# Altium PCB MU_MP_39_V1_ASMB.PcbDoc (part 6 of 15) (continued)
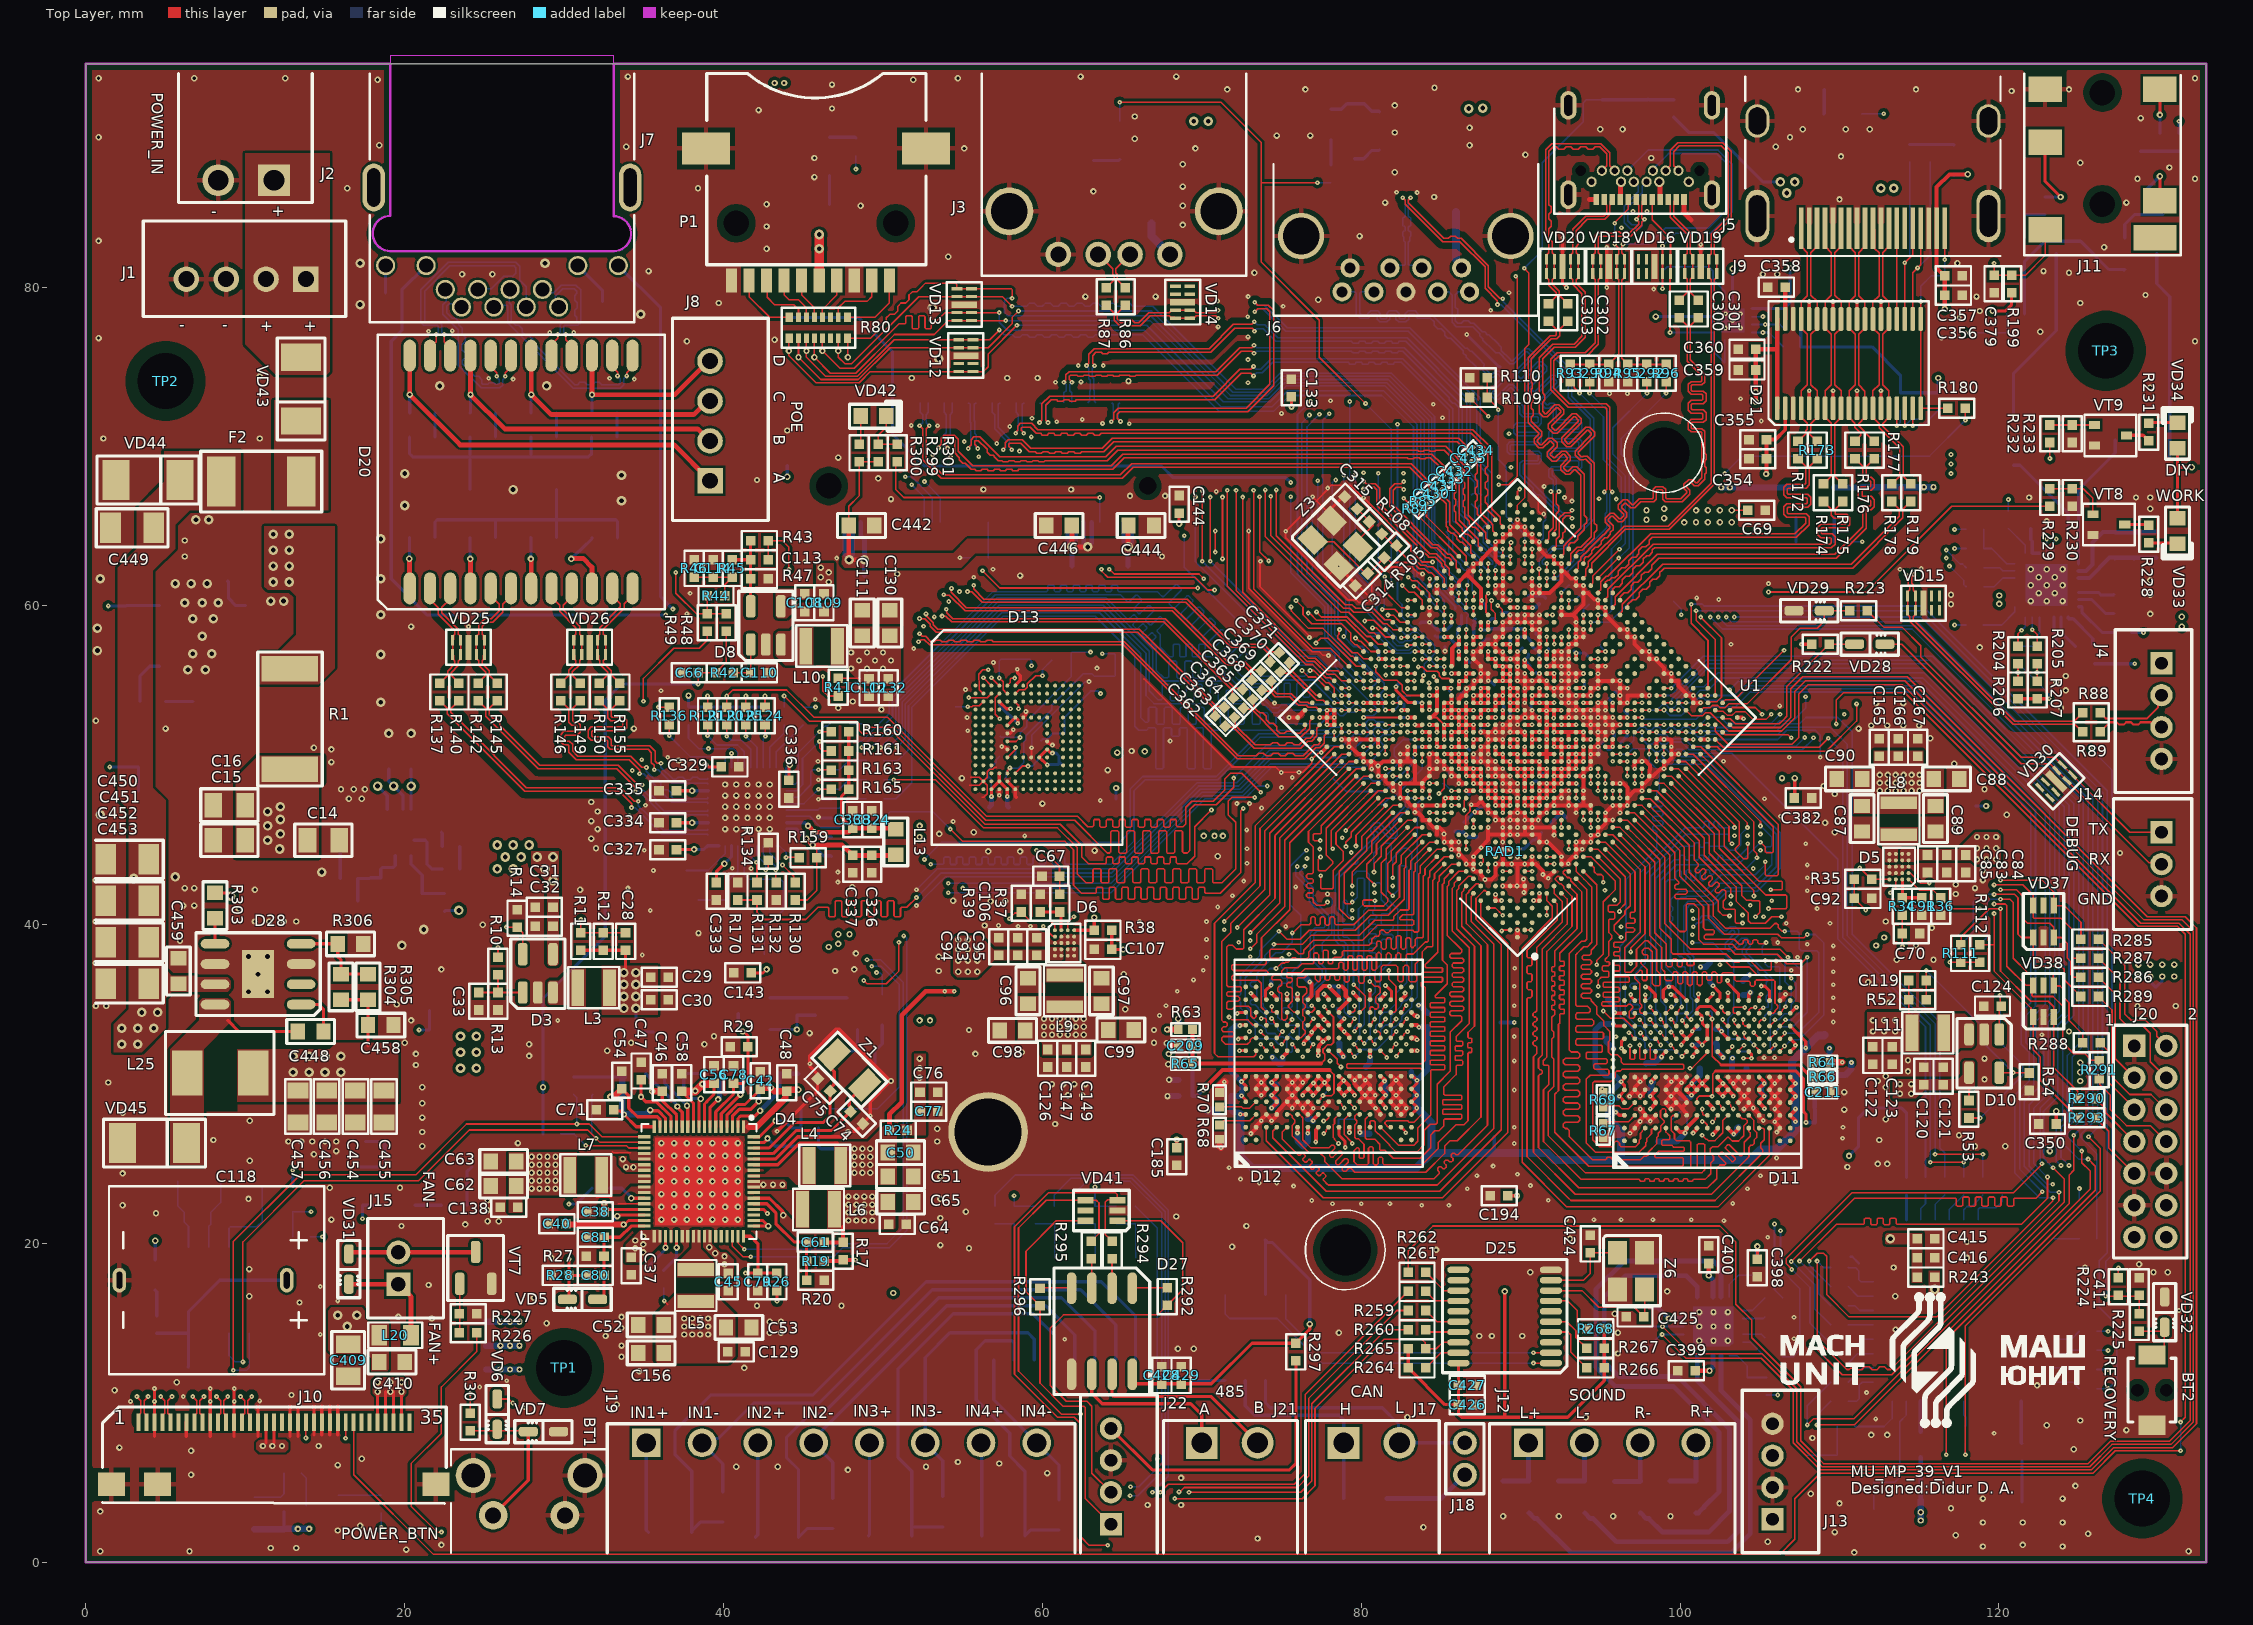
[diagram p0: Top Layer view]
## Nets (pads, with @x,y where several pads share a name; then routed paths per layer and width w, separated by ;. In a path a pad name is that pad's centre, name@x,y a point inside that pad or via, vN(x,y) a via of type N, cw(c..) or ccw(c..) an arc to the next point about the centre after c; other vN are vias at no path point) (continued)
DDR1_DQS2_P: D12.P10 U1.D21 | length 26.7
  Top Layer w0.08: D12.P10@81.205,33.701 81.375,33.872 81.375,33.924 81.52,34.068 v1(81.52,34.081) ; v1(81.525,49.8) 81.542,49.783 U1.D21@81.986,49.783
  Inner_Layer w0.09: v1(81.52,34.081) 81.52,34.115 81.335,34.3 81.097,34.3 80.893,34.504 80.893,36.571 80.659,36.805 77.059,36.805 76.186,37.678 76.186,39.778 74.78,41.184 74.78,45.266 78.434,48.92 79.047,48.92 79.758,48.92 79.973,48.704 79.973,48.557 80.06,48.47 80.176,48.47 80.263,48.557 80.263,48.704 80.479,48.92 80.725,48.92 81.208,48.92 81.405,49.117 81.405,49.443 81.485,49.523 81.485,49.76 v1(81.525,49.8)
DDR1_DQS3_N: D12.D11 U1.D23 | length 23.7
  Top Layer w0.08: v1(74.393,34.869) 74.393,34.548 74.44,34.501 D12.D11@74.705,34.501 ; v1(80.61,50.704) U1.D23@81.065,50.704
  Inner_Layer w0.09: v1(74.393,34.869) 74.353,34.829 74.353,34.653 74.3,34.6 74.047,34.6 73.825,34.822 73.825,34.95 73.825,34.995 73.89,35.06 73.89,35.36 73.825,35.424 73.825,35.65 73.825,45.325 73.825,45.37 73.945,45.49 73.945,45.79 73.825,45.91 73.825,46 73.825,46.189 75.168,47.532 75.606,47.97 75.729,47.97 75.881,47.818 76.186,47.818 76.397,48.029 76.397,48.334 76.226,48.505 76.226,48.628 76.308,48.71 76.431,48.71 76.602,48.539 76.907,48.539 77.118,48.75 77.118,49.056 76.967,49.207 76.967,49.33 77.668,50.032 77.811,50.175 79.474,50.175 80.142,50.843 80.279,50.843 80.306,50.87 80.443,50.87 v1(80.61,50.704)
DDR1_DQS3_P: D12.D10 U1.D24 | length 23.7
  Top Layer w0.08: v1(74.38,34.121) 74.38,34.109 74.525,33.964 74.525,33.881 D12.D10@74.705,33.701 ; v1(80.15,51.163) 80.152,51.161 U1.D24@80.608,51.162
  Inner_Layer w0.09: v1(74.38,34.121) 74.363,34.138 74.363,34.327 74.31,34.38 73.956,34.38 73.605,34.731 73.605,46.28 75.013,47.688 75.515,48.19 75.82,48.19 75.972,48.038 76.095,48.038 76.177,48.12 76.177,48.243 76.006,48.414 76.006,48.72 76.217,48.93 76.522,48.93 76.693,48.759 76.816,48.759 76.898,48.841 76.898,48.965 76.747,49.116 76.747,49.422 77.513,50.188 77.72,50.395 79.383,50.395 v1(80.15,51.163)
DDR1_ODT0: D12.J8 U1.D11 | length 32.5
  Top Layer w0.1: D12.J8@77.955,32.101 78.5,31.556 78.5,31.309 ; 78.5,31.375 78.5,31.309 ; v1(78.726,31.083) 78.5,31.309 ; U1.D11@86.583,45.186 86.575,45.179 86.575,44.739 v1(86.584,44.73)
  Inner_Layer w0.13: v1(78.726,31.083) 78.776,31.134 79.662,31.134 79.763,31.033 79.763,30.728 79.865,30.626 80.068,30.626 80.17,30.728 80.17,30.982 80.271,31.083 80.474,31.083 80.576,30.982 80.576,30.728 80.678,30.626 80.881,30.626 80.982,30.728 80.982,30.982 81.084,31.083 81.287,31.083 81.389,30.982 81.389,30.728 81.49,30.626 81.694,30.626 81.795,30.728 81.795,30.982 81.897,31.083 82.1,31.083 82.202,30.982 82.202,30.728 82.303,30.626 82.498,30.626 82.6,30.728 82.6,30.982 82.701,31.083 82.905,31.083 83.006,30.982 83.006,30.728 83.108,30.626 83.311,30.626 83.413,30.728 83.413,30.982 83.514,31.083 84.314,31.083 85.228,31.998 85.228,32.804 85.68,33.256 85.68,37.926 85.725,37.971 85.725,39.551 86.447,40.273 86.447,40.835 86.447,40.9 86.348,40.999 85.383,40.999 85.284,41.098 85.284,41.23 85.383,41.329 86.471,41.329 86.57,41.428 86.57,41.56 86.471,41.659 85.383,41.659 85.284,41.758 85.284,41.89 85.383,41.989 86.471,41.989 86.57,42.088 86.57,42.22 86.471,42.319 85.383,42.319 85.284,42.418 85.284,42.55 85.383,42.649 86.348,42.649 86.447,42.748 86.447,43.1 86.447,43.31 86.224,43.533 86.224,43.967 86.549,44.291 86.549,44.694 v1(86.584,44.73)
DDR1_PLL_TESTPOINT_N: U1.G14 | length 0.8
  Top Layer w0.08: v1(86.465,47.189) 86.475,47.199 86.475,47.787 86.583,47.895 U1.G14@86.583,47.944
DDR1_PLL_TESTPOINT_P: U1.F14 | length 0.5
  Top Layer w0.08: v1@85.667,47.485 U1.F14@86.123,47.485
  other v1: 85.665,47.486
DDR1_PQZ: R56.1 U1.G15 | length 1.2
  Top Layer w0.1: v1(85.665,48.406) 85.667,48.404 U1.G15@86.123,48.404
  Bottom Layer w0.1: R56.1@85.118,48.844 85.123,48.849 85.222,48.849 v1(85.665,48.406)
DDR1_ZQ10: D12.B3 R68.2 | length 2.6
  Top Layer w0.1: R68.2@71.105,27.44 71.37,27.705 73.009,27.705 D12.B3@73.405,28.101
DDR1_ZQ11: D12.B4 R70.2 | length 2.5
  Top Layer w0.1: R70.2@71.105,28.572 72.499,28.572 72.579,28.493 72.996,28.493 D12.B4@73.405,28.901
DIY_LED: R232.2 U1.P24 | length 63.2
  Top Layer w0.1: v1(123.2,69.25) R232.2@123.2,70.25
  Top Layer w0.11: v1(85.203,56.2) 85.204,56.199 U1.P24@85.204,55.758
  Inner_Layer w0.1: v1(82.275,71.4) 85.875,75 117.45,75 v1(123.2,69.25)
  Bottom Layer w0.1: v1(82.275,71.4) 82.275,60.375 82.561,60.089 82.561,59.325 83.236,58.65 83.475,58.65 84.618,57.507 84.618,57.015 84.42,56.816 84.415,56.816 84.415,56.539 84.42,56.539 84.784,56.175 85.177,56.175 v1(85.203,56.2)
EAR_CTL: R198.2 R201.1 U1.N24 | length 61.3
  Top Layer w0.11: v1(84.55,55.575) 84.55,55.534 84.744,55.339 U1.N24@84.744,55.298
  POWER_1 w0.1: v1(89.275,70.8) 89.275,71.95 91.925,74.6 101.9,74.6 103.1,73.4 103.1,71.2 103.6,70.7 115.7,70.7 117.925,72.925 v1(117.925,77.125)
  Inner_Layer w0.1: v1(84.55,55.575) 84.56,55.565 85.025,55.565 85.584,56.124 85.584,58.734 86.175,59.325 86.175,59.673 85.3,60.548 85.3,66.825 v1(89.275,70.8)
  Bottom Layer w0.1: v1(117.925,77.125) R201.1@120.5,77.125
  Bottom Layer w0.11: R201.1@120.5,77.125 R198.2@120.5,78.325
EDP_AUX_N: J10.15 U1.A28 | length 114.8
  Top Layer w0.09: J10.15@10.3,8.8 10.3,9.225 10.22,9.305 10.203,9.305 10.15,9.358 10.15,10.15 v1(10.4,10.4) ; v1(52.3,58.25) 52.3,58.24 52.458,58.083 52.675,58.083 53.008,57.75 53.125,57.75 53.207,57.75 53.309,57.852 53.609,57.852 53.711,57.75 54.011,57.75 54.114,57.852 54.414,57.852 54.516,57.75 54.816,57.75 54.918,57.852 55.218,57.852 55.321,57.75 55.621,57.75 55.723,57.852 56.023,57.852 56.125,57.75 56.425,57.75 56.528,57.852 56.828,57.852 56.93,57.75 56.975,57.75 65.15,57.75 72.3,50.6 73.375,50.6 73.42,50.6 73.57,50.75 73.87,50.75 74.029,50.591 74.329,50.591 74.488,50.75 74.788,50.75 74.947,50.591 75.247,50.591 75.406,50.75 75.706,50.75 75.856,50.6 76.05,50.6 76.369,50.6 77.064,51.295 77.312,51.295 77.405,51.389 77.405,51.606 U1.A28@77.39,51.621
  Inner_Layer w0.11: v1(10.4,10.4) 10.165,10.165 10.165,9.81 10.275,9.7 11,9.7 11.27,9.97 11.27,10.35 11.27,10.405 11.153,10.522 11.153,10.822 11.281,10.95 11.281,11.25 11.153,11.378 11.153,11.678 11.27,11.796 11.27,11.975 11.27,12.105 9.445,13.93 9.445,28.22 9.867,28.642 18.668,28.642 18.733,28.707 18.733,39.733 35.5,56.5 45.995,56.5 47.945,58.45 48.425,58.45 48.48,58.45 48.596,58.566 48.896,58.566 49.011,58.45 49.311,58.45 49.427,58.566 49.727,58.566 49.843,58.45 50.05,58.45 51.607,58.45 51.939,58.117 52.141,58.117 52.273,58.25 v1(52.3,58.25)
EDP_AUX_P: J10.14 U1.B28 | length 114.8
  Top Layer w0.09: v1(9.7,10.4) 9.95,10.15 9.95,9.358 9.897,9.305 9.88,9.305 9.8,9.225 J10.14@9.8,8.8 ; v1(52.231,57.755) 52.269,57.755 52.389,57.875 52.6,57.875 52.925,57.55 65.067,57.55 72.217,50.4 76.252,50.4 76.452,50.4 77.147,51.095 77.394,51.095 77.682,51.383 77.682,51.856 77.85,52.024 U1.B28@77.85,52.081
  Inner_Layer w0.11: v1(9.7,10.4) 9.935,10.165 9.935,9.715 10.18,9.47 11.095,9.47 11.5,9.875 11.5,12.2 9.675,14.025 9.675,28.125 9.962,28.412 18.763,28.412 18.963,28.612 18.963,39.638 35.595,56.27 46.09,56.27 48.04,58.22 51.511,58.22 51.844,57.887 52.072,57.887 52.205,57.755 v1(52.231,57.755)
EDP_BL_PWR: C374.2 C375.2 J10.31 J10.32 J10.33 J10.34 R192.1 R193.1 R194.1 | length 7.6
  Top Layer w0.2: J10.31@18.3,8.8 v2(18.3,10.7) ; J10.32@18.8,8.8 18.8,10.7 ; J10.33@19.3,8.8 19.3,10.7 ; J10.34@19.8,8.8 v2(19.8,10.7)
  other v2: 19.1,10.7 18.3,11.3 19.1,11.3 19.8,11.3
EDP_CLK24_IN: TP10.1 U1.H21 | length 6.4
  Top Layer w0.11: v1(83.368,51.623) 83.369,51.621 U1.H21@83.825,51.621
  Bottom Layer w0.11: TP10.1@79.7,49.175 80.576,49.175 80.731,49.02 81.223,49.02 ; 81.364,49.161 81.223,49.02 ; v1(83.368,51.623) 82.632,51.623 82.078,51.07 82.078,50.612 82.307,50.384 82.307,50.104 81.223,49.02
EDP_DC_TP: TP9.1 U1.G20 | length 4.4
  Top Layer w0.11: U1.G20@83.825,50.702 83.825,50.246 v1(83.827,50.244)
  Bottom Layer w0.11: TP9.1@81.275,47.55 81.365,47.55 81.79,47.975 82.025,47.975 83.827,49.777 v1(83.827,50.244)
EDP_HPD: J10.22 U1.M29 | length 142.5
  Top Layer w0.1: v1(13.8,7.8) J10.22@13.8,8.8
  Top Layer w0.102: v1(63.7,62.3) 63.738,62.262 63.738,62.162 64.1,61.8 69.575,61.8 70.375,61 v1(70.8,61)
  Top Layer w0.11: v1(81.53,57.137) U1.M29@81.986,57.137
  Inner_Layer w0.1: 13.6,43.6 13.5,43.5 ; v1(13.8,7.8) 13.8,7.375 12.925,6.5 1.7,6.5 0.925,7.275 0.925,33.268 4.157,36.5 5.3,36.5 7.9,39.1 7.9,41.9 9.5,43.5 13.5,43.5 ; v1(63.7,62.3) 58.727,62.3 56,65.027 35.427,65.027 20.9,50.5 17.3,50.5 14.7,47.9 14.7,44.7 13.5,43.5
  Inner_Layer w0.102: v1(70.8,61) 76.325,61 78.432,58.893 78.827,58.893 79.234,58.486 79.234,57.877 79.64,57.47 81.196,57.47 v1(81.53,57.137)
EDP_LCD_VCC: C366.1 C367.1 J10.17 J10.18 VT3.3 | length 2.6
  Top Layer w0.2: 11.3,7.5 J10.17@11.3,8.8 ; 11.8,7.5 J10.18@11.8,8.8
  other v2: 11.1,7.3 11.7,7.3 12.3,7.3
EDP_TX0_N: C363.1 J10.11 | length 108.2
  Top Layer w0.09: v1(8.2,10.4) 8.45,10.15 8.45,9.358 8.397,9.305 8.38,9.305 8.3,9.225 J10.11@8.3,8.8 ; v1(52.7,59.5) 52.741,59.46 52.741,59.363 53.161,58.942 53.161,58.821 53.433,58.55 66.079,58.55 66.723,57.906 69.389,55.239 70.563,54.066 70.568,54.066 70.92,53.714 C363.1@71.336,53.714
  Inner_Layer w0.11: v1(8.2,10.4) 8.251,10.4 8.435,10.584 8.435,10.77 8.475,10.809 8.475,16.95 8.475,17.459 8.411,17.523 7.828,17.523 7.631,17.719 7.631,18.197 7.828,18.393 8.479,18.393 8.54,18.455 8.54,18.742 8.479,18.803 7.828,18.803 7.631,18.999 7.631,19.477 7.828,19.673 8.411,19.673 8.475,19.738 8.475,20.5 8.475,29.438 8.674,29.637 17.938,29.637 18.002,29.701 18.002,40.453 34.85,57.3 45.6,57.3 48,59.7 52.449,59.7 52.649,59.5 v1(52.7,59.5)
EDP_TX0_P: C362.1 J10.12 | length 107.5
  Top Layer w0.09: J10.12@8.8,8.8 8.8,9.225 8.72,9.305 8.703,9.305 8.65,9.358 8.65,10.15 v1(8.9,10.4) ; v1(52.292,59.211) 52.301,59.203 52.618,59.203 52.961,58.859 52.961,58.739 53.35,58.35 65.996,58.35 66.523,57.823 69.189,55.157 69.248,55.098 70.48,53.866 70.485,53.866 70.761,53.59 C362.1@70.761,53.164
  Inner_Layer w0.11: v1(8.9,10.4) 8.849,10.4 8.665,10.583 8.665,10.674 8.705,10.714 8.705,16.95 8.705,17.554 8.506,17.753 7.923,17.753 7.861,17.815 7.861,18.102 7.923,18.163 8.574,18.163 8.77,18.359 8.77,18.837 8.574,19.033 7.923,19.033 7.861,19.095 7.861,19.382 7.923,19.443 8.506,19.443 8.705,19.642 8.705,20.5 8.705,29.343 8.769,29.407 18.033,29.407 18.232,29.606 18.232,40.357 34.945,57.07 45.695,57.07 48.095,59.47 51.982,59.47 52.241,59.211 v1(52.292,59.211)
EDP_TX1_N: C365.1 J10.8 | length 109.7
  Top Layer w0.09: v1(6.7,10.4) 6.95,10.15 6.95,9.358 6.897,9.305 6.88,9.305 6.8,9.225 J10.8@6.8,8.8 ; v1(53.974,59.786) 54.012,59.748 54.012,59.571 54.383,59.2 67.704,59.2 71.713,55.191 71.718,55.191 72.07,54.839 C365.1@72.486,54.839
  Inner_Layer w0.11: v1(6.7,10.4) 6.7,10.451 6.935,10.686 6.935,14.25 6.935,14.372 6.871,14.437 6.631,14.437 6.435,14.633 6.435,15.111 6.631,15.307 7.374,15.307 7.435,15.368 7.435,15.655 7.374,15.717 6.631,15.717 6.435,15.913 6.435,16.391 6.631,16.587 6.871,16.587 6.935,16.651 6.935,16.8 6.935,30.71 9.125,32.9 16.825,32.9 17.12,33.195 17.12,41.07 34.35,58.3 45.4,58.3 47.8,60.7 52.875,60.7 53.77,59.806 53.955,59.806 v1(53.974,59.786)
EDP_TX1_P: C364.1 J10.9 | length 109.1
  Top Layer w0.09: J10.9@7.3,8.8 7.3,9.225 7.22,9.305 7.203,9.305 7.15,9.358 7.15,10.15 v1(7.4,10.4) ; v1(53.707,59.363) 53.937,59.363 54.3,59 67.621,59 71.63,54.991 71.635,54.991 71.911,54.715 C364.1@71.911,54.289
  Inner_Layer w0.11: v1(7.4,10.4) 7.165,10.635 7.165,14.25 7.165,14.468 6.966,14.667 6.726,14.667 6.665,14.728 6.665,15.015 6.726,15.077 7.469,15.077 7.665,15.273 7.665,15.751 7.469,15.947 6.726,15.947 6.665,16.008 6.665,16.295 6.726,16.357 6.966,16.357 7.165,16.556 7.165,16.8 7.165,30.615 9.22,32.67 16.92,32.67 17.35,33.1 17.35,40.975 34.445,58.07 45.495,58.07 47.895,60.47 52.78,60.47 53.681,59.569 53.681,59.39 v1(53.707,59.363)
EDP_TX2_N: C369.1 J10.4 | length 111.5
  Top Layer w0.09: v1(4.7,10.4) 4.95,10.15 4.95,9.6 4.95,9.358 4.897,9.305 4.88,9.305 4.8,9.225 J10.4@4.8,8.8 ; v1(54.3,61.1) 54.281,61.081 54.281,60.852 55.233,59.9 68.233,59.9 69.016,59.116 71.629,56.504 72.687,56.504 72.746,56.446 73.203,55.989 C369.1@73.636,55.989
  Inner_Layer w0.11: v1(4.7,10.4) 4.7,10.451 4.935,10.686 4.935,12.075 4.935,12.197 4.871,12.262 4.705,12.262 4.509,12.458 4.509,12.936 4.705,13.132 5.374,13.132 5.435,13.193 5.435,13.48 5.374,13.542 5.134,13.542 4.935,13.741 4.935,14.225 4.935,30.185 8.425,33.675 16.361,33.675 16.425,33.739 16.425,41.375 33.95,58.9 45,58.9 47.425,61.325 53.698,61.325 53.887,61.136 54.264,61.136 v1(54.3,61.1)
EDP_TX2_P: C368.1 J10.5 | length 110.9
  Top Layer w0.09: J10.5@5.3,8.8 5.3,9.225 5.22,9.305 5.203,9.305 5.15,9.358 5.15,9.517 5.15,10.15 v1(5.4,10.4) ; v1(53.819,60.7) 53.84,60.679 54.171,60.679 55.15,59.7 68.15,59.7 68.816,59.034 68.875,58.975 71.546,56.304 72.604,56.304 73.061,55.847 C368.1@73.061,55.414
  Inner_Layer w0.11: v1(5.4,10.4) 5.165,10.635 5.165,12.075 5.165,12.293 4.966,12.492 4.8,12.492 4.739,12.553 4.739,12.84 4.8,12.902 5.469,12.902 5.665,13.098 5.665,13.576 5.469,13.772 5.229,13.772 5.165,13.836 5.165,14.225 5.165,30.09 8.52,33.445 16.456,33.445 16.655,33.644 16.655,41.28 34.045,58.67 45.095,58.67 47.52,61.095 53.603,61.095 53.797,60.901 53.797,60.721 v1(53.819,60.7)
EDP_TX3_N: C371.1 J10.1 | length 111.9
  Top Layer w0.09: v1(3.2,10.4) 3.45,10.15 3.45,9.358 3.397,9.305 3.38,9.305 3.3,9.225 J10.1@3.3,8.8 ; v1(55.7,61.3) 55.682,61.282 55.682,61.068 56.325,60.425 69.083,60.425 71.466,58.041 71.904,57.604 73.887,57.604 73.946,57.546 74.353,57.139 C371.1@74.786,57.139
  Inner_Layer w0.11: v1(3.2,10.4) 3.435,10.635 3.435,10.735 3.435,29.86 8.125,34.55 11.825,34.55 15.475,38.2 15.475,41.9 37.4,63.825 52.925,63.825 55.451,61.3 v1(55.7,61.3)
EDP_TX3_P: C370.1 J10.2 | length 111.3
  Top Layer w0.09: J10.2@3.8,8.8 3.8,9.225 3.72,9.305 3.703,9.305 3.65,9.358 3.65,10.15 v1(3.9,10.4) ; v1(55.3,60.9) 55.567,60.9 56.242,60.225 69,60.225 71.266,57.959 71.325,57.9 71.821,57.404 73.804,57.404 74.211,56.997 C370.1@74.211,56.564
  Inner_Layer w0.11: v1(3.9,10.4) 3.665,10.635 3.665,10.83 3.665,29.765 8.22,34.32 11.92,34.32 15.705,38.105 15.705,41.805 37.495,63.595 52.83,63.595 55.3,61.125 v1(55.3,60.9)
EDP_VCC_EN: R189.1 U1.F29 | length 150.6
  Top Layer w0.1: v1(78.772,54.38) 78.773,54.379 U1.F29@79.229,54.379
  Inner_Layer w0.1: v1(18.525,2.201) 14.751,5.975 1.625,5.975 0.5,7.1 0.5,33.4 4,36.9 5.1,36.9 7.5,39.3 7.5,42.1 9.3,43.9 13.3,43.9 14.3,44.9 14.3,48.1 17.1,50.9 20.7,50.9 35.4,65.6 66.175,65.6 67.4,64.375 68.875,64.375 v1(68.9,64.4)
  Bottom Layer w0.1: v1(18.525,2.201) R189.1@18.525,3.1 ; 68.9,63.6 68.9,62.425 ; v1(68.9,64.4) 68.9,62.425 ; 75.75,56.271 75.054,56.271 ; v1(78.772,54.38) 78.772,54.477 76.979,56.271 75.054,56.271 ; 68.9,62.425 75.054,56.271
EDPTX0_N: C363.2 U1.A29 | length 6.5
  Top Layer w0.09: C363.2@72.114,52.936 72.114,52.519 73.358,51.275 73.625,51.275 74.287,51.275 74.437,51.425 74.737,51.425 74.896,51.266 75.196,51.266 75.355,51.425 75.655,51.425 75.805,51.275 75.85,51.275 76.125,51.275 76.556,51.706 76.803,51.706 76.946,51.848 76.946,52.066 U1.A29@76.931,52.081
EDPTX0_P: C362.2 U1.B29 | length 7.3
  Top Layer w0.09: C362.2@71.539,52.386 71.964,52.386 73.275,51.075 76.208,51.075 76.639,51.506 76.886,51.506 77.223,51.843 77.223,52.316 77.39,52.484 U1.B29@77.39,52.54
EDPTX1_N: C365.2 U1.A30 | length 5.1
  Top Layer w0.09: C365.2@73.264,54.061 73.264,53.651 73.445,53.47 73.627,53.287 73.839,53.287 74.051,53.075 74.051,52.85 74.263,52.638 74.488,52.638 74.7,52.426 74.7,52.214 74.732,52.182 74.914,52 75.125,52 75.17,52 75.32,52.15 75.62,52.15 75.77,52 76.075,52 76.15,52 76.405,52.255 76.434,52.255 76.486,52.308 76.486,52.525 U1.A30@76.471,52.54
EDPTX1_P: C364.2 U1.B30 | length 5.8
  Top Layer w0.09: C364.2@72.689,53.511 73.121,53.511 74.832,51.8 76.233,51.8 76.488,52.055 76.516,52.055 76.763,52.302 76.763,52.776 76.931,52.943 U1.B30@76.931,53
EDPTX2_N: C369.2 U1.C31 | length 3.3
  Top Layer w0.09: C369.2@74.414,55.211 74.414,54.786 74.7,54.5 75.606,54.5 76.131,53.975 76.15,53.956 76.647,53.956 76.698,53.904 76.915,53.904 U1.C31@76.931,53.919
EDPTX2_P: C368.2 U1.C30 | length 4
  Top Layer w0.09: C368.2@73.839,54.636 74.281,54.636 74.617,54.3 75.523,54.3 75.931,53.892 75.989,53.834 76.067,53.756 76.564,53.756 76.692,53.627 77.166,53.627 77.333,53.46 U1.C30@77.39,53.46
EDPTX3_N: C371.2 U1.D31 | length 2.9
  Top Layer w0.09: C371.2@75.564,56.361 75.564,56 75.598,55.966 75.598,55.96 76.478,55.08 76.495,55.08 77.182,54.393 77.376,54.393 U1.D31@77.39,54.379
EDPTX3_P: C370.2 U1.D30 | length 3.6
  Top Layer w0.09: C370.2@74.989,55.786 75.489,55.786 76.395,54.88 76.412,54.88 77.04,54.252 77.205,54.087 77.626,54.087 77.793,53.919 U1.D30@77.85,53.919
EFUSE_VQPS_EN_H: R40.2 U1.AK3 | length 19.7
  Top Layer w0.1: U1.AK3@102.21,53.46 102.248,53.421 102.347,53.421 102.368,53.4 102.7,53.4 102.95,53.15 103.283,53.15 103.483,53.35 104.1,53.35 104.55,52.9 105.42,52.9 105.72,53.2 v1(105.725,53.2)
  Inner_Layer w0.1: v1(105.725,53.2) 105.725,57 106.7,57.975 106.7,62.5 108.225,64.025 v1(111.425,64.025)
  Bottom Layer w0.1: R40.2@110.775,64.025 v1(111.425,64.025)
EMMC_CLKO: D13.M6 R75.1 | length 2.2
  Top Layer w0.12: D13.M6@58.3,49.5 58.75,49.95 v1(59.1,49.95)
  Bottom Layer w0.12: v1(59.1,49.95) 59.35,49.95 59.71,50.31 59.71,50.435 R75.1@59.925,50.65
EMMC_CMD: D13.M5 R77.1 U1.J31 | length 32.3
  Top Layer w0.1: D13.M5@57.8,49.5 57.812,49.512 57.812,49.677 57.964,49.83 v1(57.964,49.836) ; v1(75.6,59.939) 75.603,59.936 75.603,59.704 75.716,59.591 75.716,59.566 76.694,58.588 77.609,58.588 79.343,56.854 79.452,56.854 79.629,56.677 U1.J31@79.688,56.677
  Inner_Layer w0.13: v1(63.75,57) 64.346,57 66.65,57 66.937,57 69.737,59.8 70.125,59.8 70.25,59.925 75.586,59.925 v1(75.6,59.939)
  Bottom Layer w0.1: R77.1@57.65,49.175 57.725,49.25 57.725,49.575 57.964,49.814 v1(57.964,49.836) 57.976,49.824 58.474,49.824 58.825,50.175 58.825,51.466 58.96,51.601 58.96,51.86 60.583,53.483 60.583,53.765 62.568,55.75 63.107,55.75 63.282,55.575 64.516,55.575 64.575,55.634 64.575,56.941 64.516,57 v1(63.75,57)
EMMC_D0: D13.A3 U1.J28 | length 32.2
  Top Layer w0.1: v1(56.3,55.5) D13.A3@56.8,55 ; v1(80.61,55.299) U1.J28@81.067,55.298
  Inner_Layer w0.08: 77.036,56.273 77.051,56.288 77.056,56.288 77.684,55.66 79.815,55.66 80.05,55.425 80.454,55.425 80.58,55.299 v1(80.61,55.299)
  Inner_Layer w0.13: v1(56.3,55.5) 56.3,53.401 56.376,53.325 57.782,53.325 58.007,53.1 58.55,53.1 59.095,52.555 67.408,52.555 67.533,52.68 68.365,52.68 68.485,52.8 70.698,52.8 72.563,54.665 73.43,54.665 73.622,54.857 73.884,55.119 73.884,55.227 73.5,55.611 73.5,55.681 73.663,55.844 73.733,55.844 74.166,55.412 74.236,55.412 74.399,55.575 74.399,55.645 74.028,56.017 74.028,56.087 74.191,56.25 74.261,56.25 74.584,55.927 74.692,55.927 74.971,56.206 75.05,56.285 77.024,56.285 77.036,56.273
EMMC_D1: D13.A4 U1.J29 | length 32.3
  Top Layer w0.1: v1(56.8,55.5) D13.A4@57.3,55 ; v1(80.187,55.769) 80.198,55.758 U1.J29@80.608,55.758
  Inner_Layer w0.08: 77.149,56.674 77.151,56.674 77.775,56.05 79.906,56.05 v1(80.187,55.769)
  Inner_Layer w0.13: v1(56.8,55.5) 56.8,55.05 57.95,53.9 58.95,53.9 59.7,53.15 62.553,53.15 62.758,52.945 67.247,52.945 67.372,53.07 68.203,53.07 68.333,53.2 69.725,53.2 70.038,53.513 70.259,53.734 70.366,53.734 70.631,53.469 70.701,53.469 70.864,53.632 70.864,53.702 70.571,53.995 70.571,54.065 70.735,54.229 70.805,54.229 71.098,53.936 71.168,53.936 71.331,54.099 71.331,54.169 71.038,54.462 71.038,54.532 71.201,54.695 71.271,54.695 71.565,54.402 71.635,54.402 71.798,54.566 71.798,54.636 71.505,54.929 71.505,54.999 71.668,55.162 71.738,55.162 72.031,54.869 72.101,54.869 72.265,55.032 72.265,55.102 71.971,55.396 71.971,55.466 72.135,55.629 72.205,55.629 72.498,55.336 72.568,55.336 72.731,55.499 72.731,55.569 72.467,55.834 72.467,55.942 72.513,55.988 73.2,56.675 77.148,56.675
EMMC_D2: D13.A5 U1.J30 | length 32.3
  Top Layer w0.1: D13.A5@57.8,55 57.975,55.175 57.975,55.412 58.034,55.47 v1(58.267,55.47) ; v1(77.166,57.67) 77.166,57.687 77.457,57.978 77.922,57.978 79.683,56.217 U1.J30@80.148,56.217
  Inner_Layer w0.13: v1(58.267,55.47) 58.63,55.47 60.125,53.975 62.875,53.975 63.125,53.725 66.924,53.725 67.049,53.85 67.88,53.85 68.055,54.025 68.3,54.025 68.513,54.237 68.792,54.517 68.9,54.517 69.243,54.173 69.313,54.173 69.476,54.337 69.476,54.407 69.102,54.781 69.102,54.851 69.266,55.014 69.336,55.014 69.71,54.64 69.78,54.64 69.943,54.803 69.943,54.873 69.569,55.247 69.569,55.317 69.732,55.481 69.802,55.481 70.176,55.107 70.246,55.107 70.41,55.27 70.41,55.34 70.036,55.714 70.036,55.784 70.199,55.947 70.269,55.947 70.643,55.573 70.713,55.573 70.876,55.737 70.876,55.807 70.502,56.181 70.502,56.251 70.666,56.414 70.736,56.414 71.11,56.04 71.18,56.04 71.343,56.203 71.343,56.273 70.969,56.647 70.969,56.717 71.132,56.881 71.203,56.881 71.44,56.643 71.51,56.643 71.674,56.806 71.674,56.876 71.466,57.084 71.466,57.191 71.713,57.438 71.85,57.575 77.025,57.575 77.12,57.67 v1(77.166,57.67)
EMMC_D3: D13.B2 U1.J25 | length 32.2
  Top Layer w0.08: D13.B2@56.3,54.5 56.05,54.75 56.05,55.314 56,55.364 56,55.725 56.275,56 v1(56.6,56)
  Top Layer w0.1: v1@81.989,53.92 81.99,53.919 U1.J25@82.446,53.919
  Inner_Layer w0.08: 77.3,57.075 77.975,56.4 80,56.4 81.989,54.411 v1(81.989,53.92)
  Inner_Layer w0.13: v1(56.6,56) 57.3,56 57.76,55.54 57.76,55.39 58.1,55.05 58.375,55.05 59.85,53.575 62.7,53.575 62.94,53.335 67.085,53.335 67.21,53.46 68.042,53.46 68.182,53.6 69.525,53.6 73,57.075 77.3,57.075
EMMC_D4: D13.B3 U1.J26 | length 32.3
  Top Layer w0.08: v1(55.375,54.25) 56.55,54.25 D13.B3@56.8,54.5
  Top Layer w0.1: D13.B3@56.786,54.5 D13.B3@56.8,54.5 ; v1(81.525,54.388) 81.531,54.395 81.755,54.395 81.767,54.383 81.982,54.383 U1.J26@81.986,54.379
  Inner_Layer w0.08: 77.525,54.725 78.866,54.725 79.062,54.529 80.286,54.529 80.439,54.682 80.743,54.682 81.025,54.4 81.513,54.4 v1(81.525,54.388)
  Inner_Layer w0.13: v1(55.375,54.25) 55.775,54.25 55.91,54.115 55.91,51.84 56.25,51.5 57.8,51.5 57.875,51.425 59.8,51.425 60,51.625 67.582,51.625 67.857,51.9 70.925,51.9 72.9,53.875 73.81,53.875 74.66,54.725 77.525,54.725
EMMC_D5: D13.B4 U1.J27 | length 32.2
  Top Layer w0.08: D13.B4@57.3,54.5 57.05,54.25 57.05,53.2 v1(57.325,52.925)
  Top Layer w0.1: v1(81.072,54.839) U1.J27@81.527,54.838
  Inner_Layer w0.08: 79.284,55.235 79.564,54.956 79.818,54.956 80.021,55.159 80.266,55.159 80.5,54.925 80.926,54.925 81.013,54.839 v1(81.072,54.839)
  Inner_Layer w0.13: v1(57.325,52.925) 56.526,52.925 56.45,52.849 56.45,51.976 56.526,51.9 58.291,51.9 58.516,52.125 67.53,52.125 67.695,52.29 68.527,52.29 68.611,52.375 70.825,52.375 72.725,54.275 73.65,54.275 74.928,55.553 75.22,55.553 75.518,55.553 75.594,55.477 75.594,55.164 75.643,55.115 75.874,55.115 75.924,55.164 75.924,55.507 75.973,55.557 76.204,55.557 76.254,55.507 76.254,55.164 76.303,55.115 76.534,55.115 76.584,55.164 76.584,55.477 76.66,55.553 76.725,55.553 76.947,55.553 77.35,55.15 78.844,55.15 78.929,55.235 79.284,55.235
EMMC_D6: D13.B5 U1.L31 | length 31.4
  Top Layer w0.08: v1(57.3,55.475) 57.545,55.23 57.545,54.73 57.775,54.5 D13.B5@57.8,54.5
  Top Layer w0.1: v1(76.683,59.549) 76.737,59.549 76.816,59.47 76.828,59.47 77.202,59.096 79.03,59.096 80.53,57.596 U1.L31@80.608,57.596
  Top Layer w0.11: D13.B5@57.8,54.5 D13.B5@57.81,54.5
  Inner_Layer w0.13: v1(59.32,56.251) 59.594,56.525 59.85,56.525 59.959,56.634 59.959,56.891 60.244,57.175 61.15,57.175 61.375,56.95 61.375,56.601 61.451,56.525 67.8,56.525 68.075,56.8 68.121,56.846 68.121,56.954 67.965,57.109 67.965,57.179 68.129,57.343 68.199,57.343 68.385,57.157 68.455,57.157 68.618,57.32 68.618,57.39 68.432,57.576 68.432,57.646 68.595,57.809 68.665,57.809 68.851,57.623 68.921,57.623 69.085,57.787 69.085,57.857 68.899,58.043 68.899,58.113 69.062,58.276 69.132,58.276 69.318,58.09 69.388,58.09 69.551,58.253 69.551,58.323 69.365,58.509 69.365,58.579 69.529,58.743 69.599,58.743 69.754,58.587 69.862,58.587 70.15,58.875 70.8,59.525 76.659,59.525 v1(76.683,59.549)
  Bottom Layer w0.1: v1(57.3,55.475) 57.3,56.55 57.4,56.65 59.2,56.65 59.32,56.53 v1(59.32,56.251)
EMMC_D7: D13.B6 TP7.1 U1.K30 | length 33.4
  Top Layer w0.08: D13.B6@58.3,54.5 58.555,54.755 58.901,54.755 59.055,54.908 59.055,55.101 59.57,55.616 v1(60.006,55.616)
  Top Layer w0.1: v1(78.645,58.512) 78.608,58.475 78.608,58.228 78.522,58.142 78.522,57.978 79.437,57.064 79.761,57.064 80.148,56.677 U1.K30@80.608,56.677
  Inner_Layer w0.13: v1@60.015,55.625 60.203,55.625 60.798,55.625 60.957,55.466 60.957,54.932 61.116,54.773 61.328,54.773 61.487,54.932 61.487,55.571 61.646,55.73 61.858,55.73 62.017,55.571 62.017,54.932 62.176,54.773 62.388,54.773 62.547,54.932 62.547,55.466 62.706,55.625 62.78,55.625 64.289,55.625 64.365,55.549 64.365,55.382 64.441,55.305 64.594,55.305 64.67,55.382 64.67,55.97 64.771,56.071 64.879,56.071 64.975,55.975 64.975,55.382 65.051,55.305 65.203,55.305 65.279,55.382 65.279,55.979 65.371,56.071 65.479,56.071 65.584,55.966 65.584,55.382 65.66,55.305 65.849,55.305 65.925,55.382 65.925,55.924 66.001,56 66.35,56 66.607,55.743 67.593,55.743 70.95,59.1 77.776,59.1 78.376,58.5 78.633,58.5 v1(78.645,58.512)
  Bottom Layer w0.1: v1(60.006,55.616) 60.006,56.006 TP7.1@60.588,56.587
EMMC_STRB: D13.H5 R78.2 U1.K31 | length 30.4
  Top Layer w0.1: D13.H5@57.8,51.5 57.807,51.493 58.343,51.493 v1(58.6,51.75) ; v1(75.907,60.334) 75.916,60.334 76.35,59.9 76.35,59.44 76.904,58.886 78.764,58.886 79.335,58.315 79.335,57.852 79.617,57.57 79.714,57.57 U1.K31@80.148,57.137
  Inner_Layer w0.13: v1(63.025,57.1) 63.375,57.45 66.779,57.45 69.529,60.2 69.95,60.2 70.075,60.325 70.397,60.325 70.401,60.329 75.902,60.329 v1(75.907,60.334)
  Bottom Layer w0.1: R78.2@57.35,51.825 57.425,51.75 v1(58.6,51.75) 58.6,52.009 59.016,52.425 59.016,52.763 61.8,55.548 61.8,57.041 61.859,57.1 v1(63.025,57.1)
EMMC_TP: U1.L30 | length 1.8
  Top Layer w0.11: v1(79.64,57.978) 79.689,57.978 79.887,57.78 79.971,57.78 80.615,57.137 U1.L30@81.067,57.137
EMMCCLK: R75.2 TP5.1 U1.L28 | length 26.8
  Top Layer w0.11: v1(81.53,56.218) U1.L28@81.986,56.217
  Inner_Layer w0.08: 76.35,58.35 76.375,58.375 77.476,58.375 78.751,57.1 80.067,57.1 80.117,57.05 81.175,57.05 81.516,56.709 v1@81.516,56.232
  Inner_Layer w0.12: v1@81.516,56.232 v1(81.53,56.218)
  Inner_Layer w0.13: v1(63.65,54.5) 66.638,54.5 66.788,54.65 67.6,54.65 71.3,58.35 76.35,58.35
  Bottom Layer w0.12: R75.2@59.925,51.55 60.035,51.66 60.31,51.66 60.65,52 TP5.1@61.4,52 ; TP5.1@61.4,51.975 TP5.1@61.4,52 ; v1(63.65,54.5) 63.626,54.5 63.476,54.65 63.025,54.65 61.4,53.025 TP5.1@61.4,52
ESD_BYP: C358.1 D21.37 | length 2
  Top Layer w0.3: D21.37@106.6,78 C358.1@106.6,80
EXT_EN: D4.55 | length 1
  Top Layer w0.2: D4.55@41.892,22.145 42.507,22.145 v1@42.749,21.903
  other v1: 42.749,21.887
FAN+: J15.1 L20.1 VD31.2 | length 6.6
  Top Layer w0.3: VD31.2@16.5,17.45 J15.1@19.6,17.45 20.4,16.65 L20.1@20.4,14.25
FAN-: J15.2 VD31.1 VT7.3 | length 8
  Top Layer w0.3: VD31.1@16.5,19.35 16.6,19.45 J15.2@19.6,19.45 24.425,19.45 VT7.3@24.45,19.475
FAN_CTL: R226.2 U1.T31 | length 154.5
  Top Layer w0.1: v1(22.3,1.9) 22.025,1.9 20.4,3.525 20.4,6.2 22.3,8.1 22.3,11 24.525,13.225 R226.2@24.525,14.4 ; v1(81.481,61.825) 81.469,61.813 81.469,60.925 82.499,59.894 U1.T31@82.906,59.894
  POWER_1 w0.1: v1(22.3,1.9) 22.3,2.4 8.8,15.9 8.8,32.2 22.3,45.7 22.3,53.4 35.1,66.2 56.3,66.2 61.1,71 78.4,71 v1(81.075,68.325)
  Bottom Layer w0.11: v1(81.075,68.325) 81.075,62.233 v1(81.481,61.825) v1(81.481,61.825)